# Altium PCB STB_LightBoard.PcbDoc (part 20 of 31)
Units mm, origin at the board's own origin, x right, y up, seen from the top; angles counter-clockwise.
Board outline 348 x 348 mm, 2 copper layers (Top Layer, Bottom Layer), stack 1.672 mm thick; 3807 components, 3391 nets, 11616 pads, 2553 vias.
Unrouted connection lines stored in the file: 68.
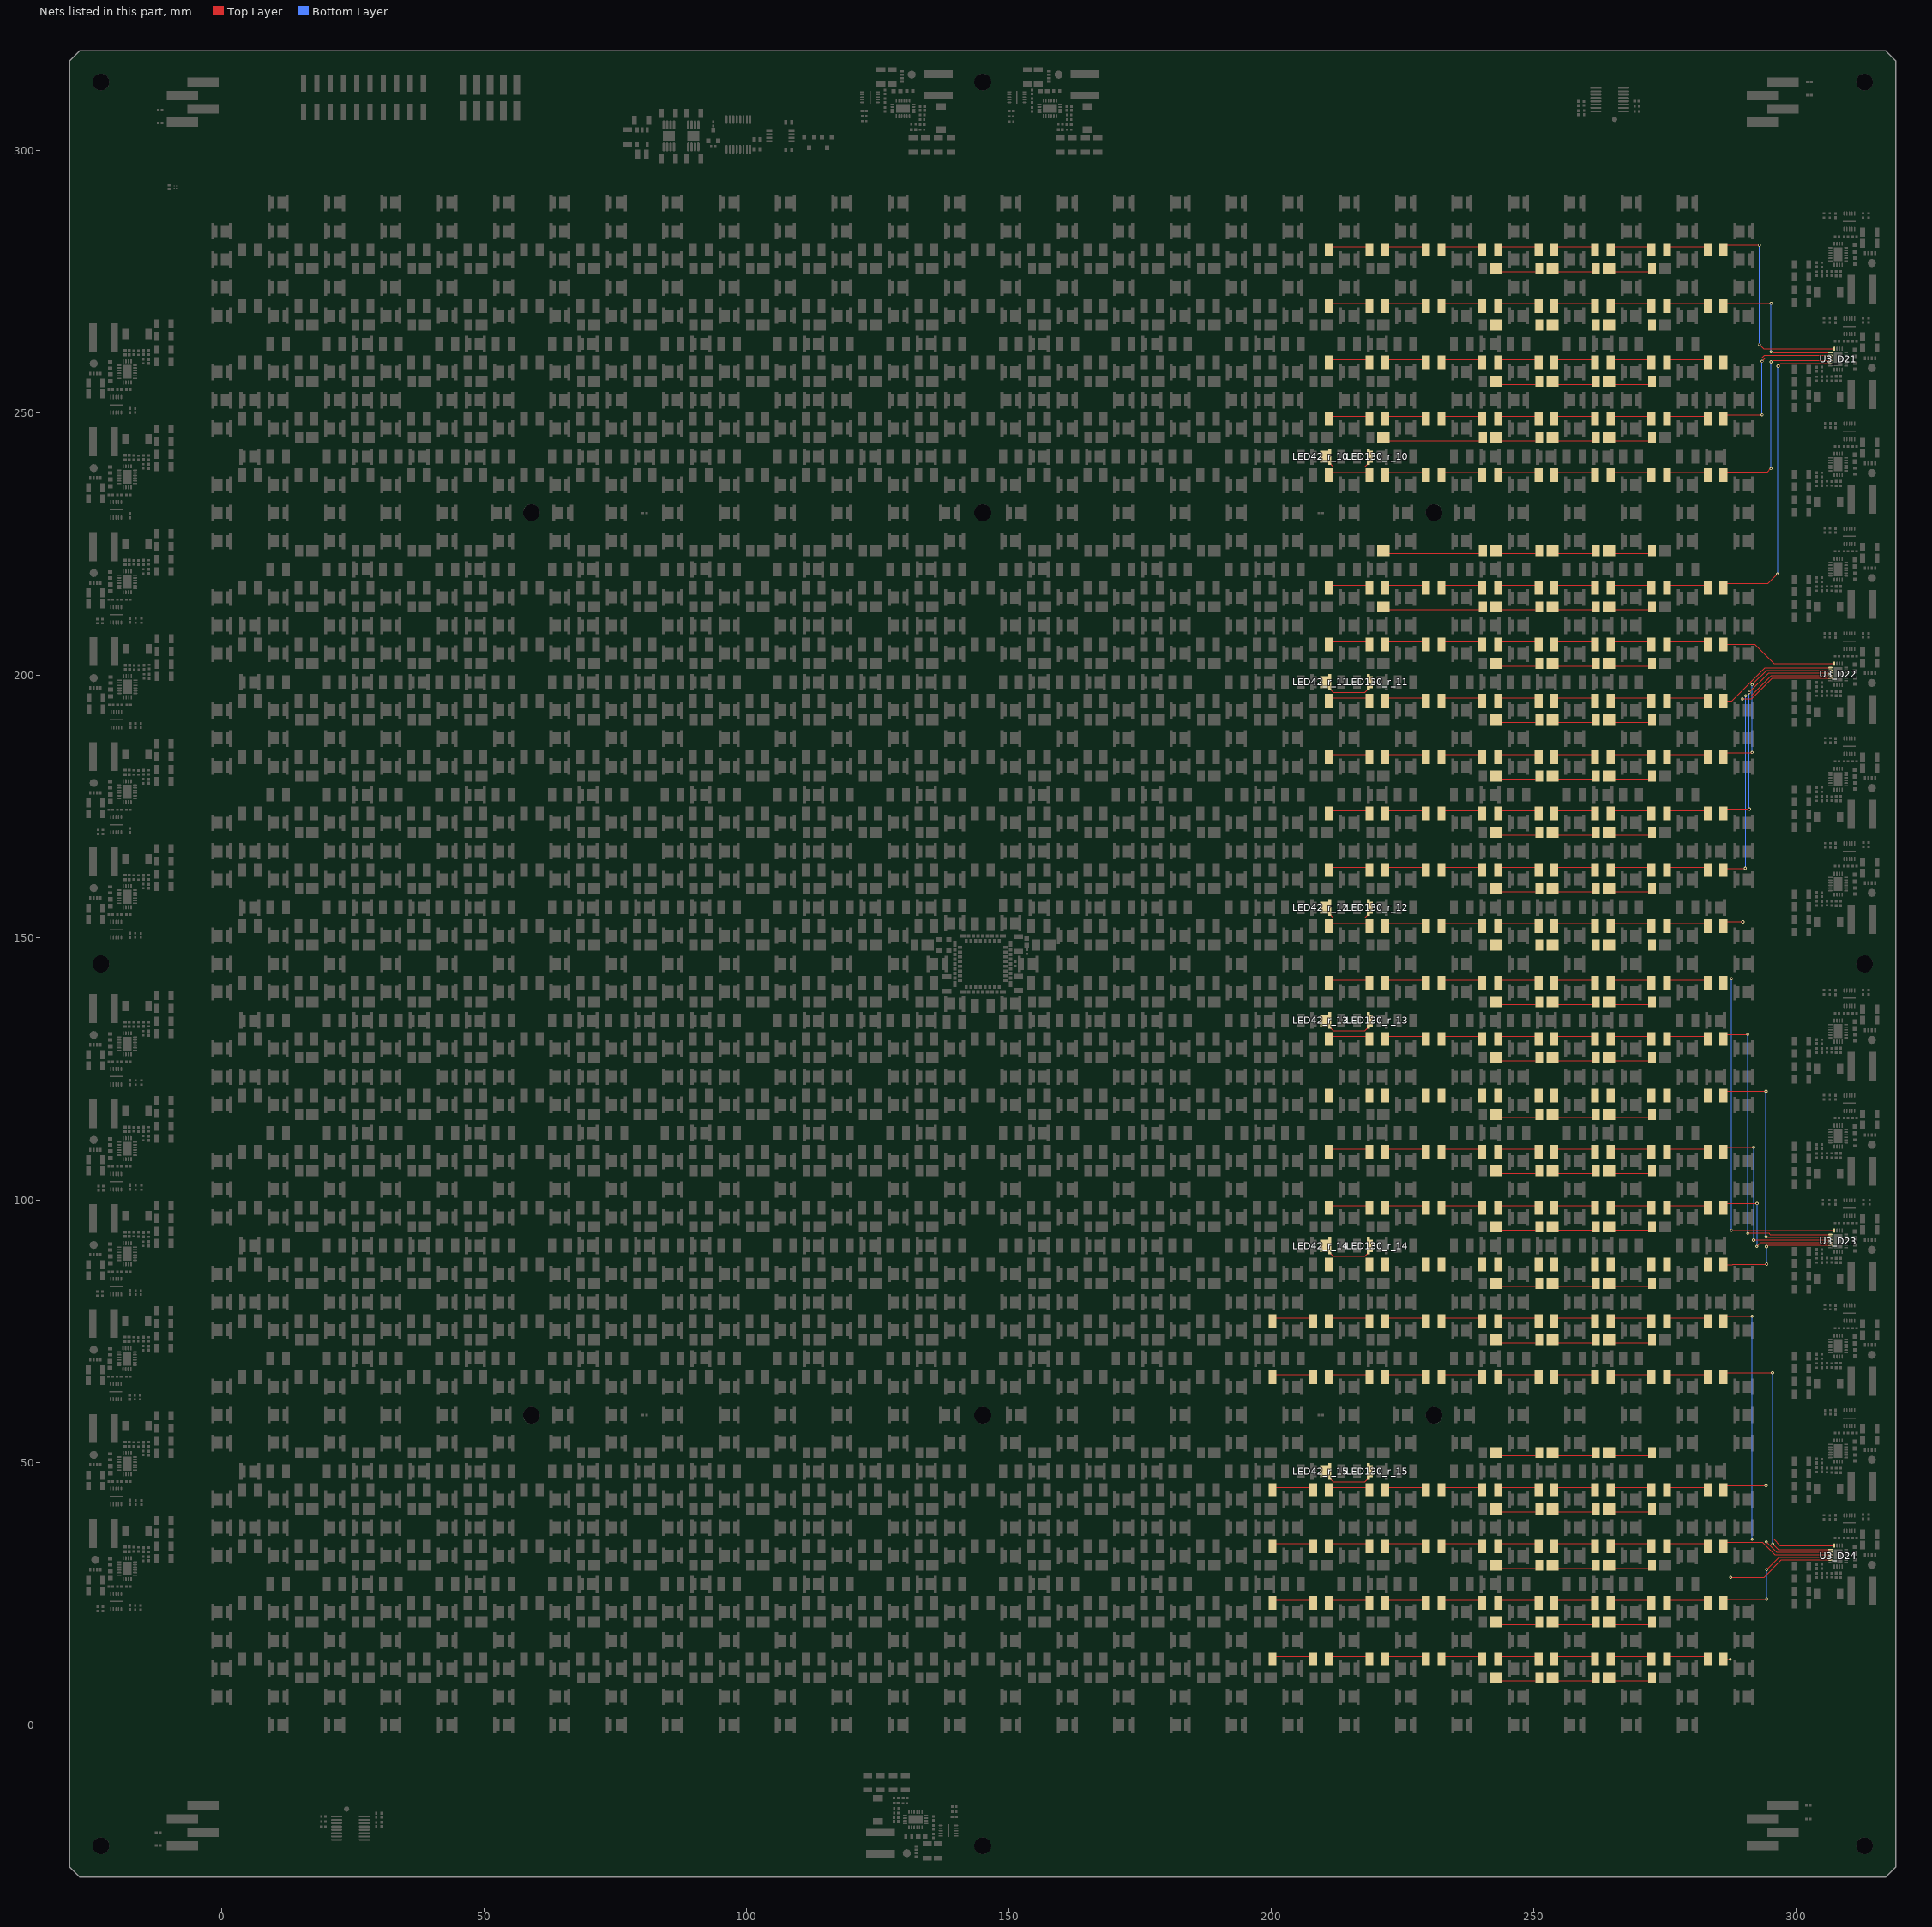
[diagram p20: the nets of this part, all layers, seen from the top]

## Via types
v1: diameter 0.604, hole 0.3, Top Layer to Bottom Layer, tented both sides, 2553 vias

## Nets (pads, with @x,y where several pads share a name; then routed paths per layer and width w, separated by ;. In a path a pad name is that pad's centre, name@x,y a point inside that pad or via, vN(x,y) a via of type N, cw(c..) or ccw(c..) an arc to the next point about the centre after c; other vN are vias at no path point) (continued)
NetLED33_IR940_40_1: LED33_IR940_40.1 LED34_IR940_40.2 | length 8.2
  Top Layer w0.2: LED33_IR940_40.1@200.208,76.987 200.742,77.521 207.415,77.521 LED34_IR940_40.2@207.949,76.987
NetLED33_IR940_41_1: LED33_IR940_41.1 LED34_IR940_41.2 | length 8.2
  Top Layer w0.2: LED33_IR940_41.1@200.208,66.246 200.742,66.78 207.415,66.78 LED34_IR940_41.2@207.949,66.246
NetLED33_IR940_42_1: LED33_IR940_42.1 LED34_IR940_42.2 | length 8.2
  Top Layer w0.2: LED33_IR940_42.1@200.208,44.764 200.742,45.298 207.415,45.298 LED34_IR940_42.2@207.949,44.764
NetLED33_IR940_43_1: LED33_IR940_43.1 LED34_IR940_43.2 | length 8.2
  Top Layer w0.2: LED33_IR940_43.1@200.208,34.023 200.742,34.557 207.415,34.557 LED34_IR940_43.2@207.949,34.023
NetLED33_IR940_44_1: LED33_IR940_44.1 LED34_IR940_44.2 | length 8.2
  Top Layer w0.2: LED33_IR940_44.1@200.208,23.282 200.742,23.816 207.415,23.816 LED34_IR940_44.2@207.949,23.282
NetLED33_IR940_45_1: LED33_IR940_45.1 LED34_IR940_45.2 | length 8.2
  Top Layer w0.2: LED33_IR940_45.1@200.208,12.541 200.742,13.075 207.415,13.075 LED34_IR940_45.2@207.949,12.541
NetLED34_IR940_10_1: LED34_IR940_10.1 LED35_IR940_10.2 | length 8.2
  Top Layer w0.2: LED34_IR940_10.1@210.949,281.066 211.483,281.6 218.156,281.6 LED35_IR940_10.2@218.69,281.066
NetLED34_IR940_11_1: LED34_IR940_11.1 LED35_IR940_11.2 | length 8.2
  Top Layer w0.2: LED34_IR940_11.1@210.949,270.325 211.483,270.859 218.156,270.859 LED35_IR940_11.2@218.69,270.325
NetLED34_IR940_12_1: LED34_IR940_12.1 LED35_IR940_12.2 | length 8.2
  Top Layer w0.2: LED34_IR940_12.1@210.949,259.584 211.483,260.118 218.156,260.118 LED35_IR940_12.2@218.69,259.584
NetLED34_IR940_13_1: LED34_IR940_13.1 LED35_IR940_13.2 | length 8.2
  Top Layer w0.2: LED34_IR940_13.1@210.949,248.843 211.483,249.377 218.156,249.377 LED35_IR940_13.2@218.69,248.843
NetLED34_IR940_14_1: LED34_IR940_14.1 LED35_IR940_14.2 | length 8.2
  Top Layer w0.2: LED34_IR940_14.1@210.949,238.102 211.483,238.636 218.156,238.636 LED35_IR940_14.2@218.69,238.102
NetLED34_IR940_15_1: LED34_IR940_15.1 LED35_IR940_15.2 | length 8.2
  Top Layer w0.2: LED34_IR940_15.1@210.949,216.62 211.483,217.154 218.156,217.154 LED35_IR940_15.2@218.69,216.62
NetLED34_IR940_20_1: LED34_IR940_20.1 LED35_IR940_20.2 | length 8.2
  Top Layer w0.2: LED34_IR940_20.1@210.949,205.879 211.483,206.413 218.156,206.413 LED35_IR940_20.2@218.69,205.879
NetLED34_IR940_21_1: LED34_IR940_21.1 LED35_IR940_21.2 | length 8.2
  Top Layer w0.2: LED34_IR940_21.1@210.949,195.138 211.483,195.672 218.156,195.672 LED35_IR940_21.2@218.69,195.138
NetLED34_IR940_22_1: LED34_IR940_22.1 LED35_IR940_22.2 | length 8.2
  Top Layer w0.2: LED34_IR940_22.1@210.949,184.397 211.483,184.931 218.156,184.931 LED35_IR940_22.2@218.69,184.397
NetLED34_IR940_23_1: LED34_IR940_23.1 LED35_IR940_23.2 | length 8.2
  Top Layer w0.2: LED34_IR940_23.1@210.949,173.656 211.483,174.19 218.156,174.19 LED35_IR940_23.2@218.69,173.656
NetLED34_IR940_24_1: LED34_IR940_24.1 LED35_IR940_24.2 | length 8.2
  Top Layer w0.2: LED34_IR940_24.1@210.949,162.915 211.483,163.449 218.156,163.449 LED35_IR940_24.2@218.69,162.915
NetLED34_IR940_25_1: LED34_IR940_25.1 LED35_IR940_25.2 | length 8.2
  Top Layer w0.2: LED34_IR940_25.1@210.949,152.174 211.483,152.708 218.156,152.708 LED35_IR940_25.2@218.69,152.174
NetLED34_IR940_30_1: LED34_IR940_30.1 LED35_IR940_30.2 | length 8.2
  Top Layer w0.2: LED34_IR940_30.1@210.949,141.433 211.483,141.967 218.156,141.967 LED35_IR940_30.2@218.69,141.433
NetLED34_IR940_31_1: LED34_IR940_31.1 LED35_IR940_31.2 | length 8.2
  Top Layer w0.2: LED34_IR940_31.1@210.949,130.692 211.483,131.226 218.156,131.226 LED35_IR940_31.2@218.69,130.692
NetLED34_IR940_32_1: LED34_IR940_32.1 LED35_IR940_32.2 | length 8.2
  Top Layer w0.2: LED34_IR940_32.1@210.949,119.951 211.483,120.485 218.156,120.485 LED35_IR940_32.2@218.69,119.951
NetLED34_IR940_33_1: LED34_IR940_33.1 LED35_IR940_33.2 | length 8.2
  Top Layer w0.2: LED34_IR940_33.1@210.949,109.21 211.483,109.744 218.156,109.744 LED35_IR940_33.2@218.69,109.21
NetLED34_IR940_34_1: LED34_IR940_34.1 LED35_IR940_34.2 | length 8.2
  Top Layer w0.2: LED34_IR940_34.1@210.949,98.469 211.483,99.003 218.156,99.003 LED35_IR940_34.2@218.69,98.469
NetLED34_IR940_35_1: LED34_IR940_35.1 LED35_IR940_35.2 | length 8.2
  Top Layer w0.2: LED34_IR940_35.1@210.949,87.728 211.483,88.262 218.156,88.262 LED35_IR940_35.2@218.69,87.728
NetLED34_IR940_40_1: LED34_IR940_40.1 LED35_IR940_40.2 | length 8.2
  Top Layer w0.2: LED34_IR940_40.1@210.949,76.987 211.483,77.521 218.156,77.521 LED35_IR940_40.2@218.69,76.987
NetLED34_IR940_41_1: LED34_IR940_41.1 LED35_IR940_41.2 | length 8.2
  Top Layer w0.2: LED34_IR940_41.1@210.949,66.246 211.483,66.78 218.156,66.78 LED35_IR940_41.2@218.69,66.246
NetLED34_IR940_42_1: LED34_IR940_42.1 LED35_IR940_42.2 | length 8.2
  Top Layer w0.2: LED34_IR940_42.1@210.949,44.764 211.483,45.298 218.156,45.298 LED35_IR940_42.2@218.69,44.764
NetLED34_IR940_43_1: LED34_IR940_43.1 LED35_IR940_43.2 | length 8.2
  Top Layer w0.2: LED34_IR940_43.1@210.949,34.023 211.483,34.557 218.156,34.557 LED35_IR940_43.2@218.69,34.023
NetLED34_IR940_44_1: LED34_IR940_44.1 LED35_IR940_44.2 | length 8.2
  Top Layer w0.2: LED34_IR940_44.1@210.949,23.282 211.483,23.816 218.156,23.816 LED35_IR940_44.2@218.69,23.282
NetLED34_IR940_45_1: LED34_IR940_45.1 LED35_IR940_45.2 | length 8.2
  Top Layer w0.2: LED34_IR940_45.1@210.949,12.541 211.483,13.075 218.156,13.075 LED35_IR940_45.2@218.69,12.541
NetLED35_IR940_10_1: LED35_IR940_10.1 LED36_IR940_10.2 | length 8.2
  Top Layer w0.2: LED35_IR940_10.1@221.69,281.066 222.224,281.6 228.897,281.6 LED36_IR940_10.2@229.431,281.066
NetLED35_IR940_11_1: LED35_IR940_11.1 LED36_IR940_11.2 | length 8.2
  Top Layer w0.2: LED35_IR940_11.1@221.69,270.325 222.224,270.859 228.897,270.859 LED36_IR940_11.2@229.431,270.325
NetLED35_IR940_12_1: LED35_IR940_12.1 LED36_IR940_12.2 | length 8.2
  Top Layer w0.2: LED35_IR940_12.1@221.69,259.584 222.224,260.118 228.897,260.118 LED36_IR940_12.2@229.431,259.584
NetLED35_IR940_13_1: LED35_IR940_13.1 LED36_IR940_13.2 | length 8.2
  Top Layer w0.2: LED35_IR940_13.1@221.69,248.843 222.224,249.377 228.897,249.377 LED36_IR940_13.2@229.431,248.843
NetLED35_IR940_14_1: LED35_IR940_14.1 LED36_IR940_14.2 | length 8.2
  Top Layer w0.2: LED35_IR940_14.1@221.69,238.102 222.224,238.636 228.897,238.636 LED36_IR940_14.2@229.431,238.102
NetLED35_IR940_15_1: LED35_IR940_15.1 LED36_IR940_15.2 | length 8.2
  Top Layer w0.2: LED35_IR940_15.1@221.69,216.62 222.224,217.154 228.897,217.154 LED36_IR940_15.2@229.431,216.62
NetLED35_IR940_20_1: LED35_IR940_20.1 LED36_IR940_20.2 | length 8.2
  Top Layer w0.2: LED35_IR940_20.1@221.69,205.879 222.224,206.413 228.897,206.413 LED36_IR940_20.2@229.431,205.879
NetLED35_IR940_21_1: LED35_IR940_21.1 LED36_IR940_21.2 | length 8.2
  Top Layer w0.2: LED35_IR940_21.1@221.69,195.138 222.224,195.672 228.897,195.672 LED36_IR940_21.2@229.431,195.138
NetLED35_IR940_22_1: LED35_IR940_22.1 LED36_IR940_22.2 | length 8.2
  Top Layer w0.2: LED35_IR940_22.1@221.69,184.397 222.224,184.931 228.897,184.931 LED36_IR940_22.2@229.431,184.397
NetLED35_IR940_23_1: LED35_IR940_23.1 LED36_IR940_23.2 | length 8.2
  Top Layer w0.2: LED35_IR940_23.1@221.69,173.656 222.224,174.19 228.897,174.19 LED36_IR940_23.2@229.431,173.656
NetLED35_IR940_24_1: LED35_IR940_24.1 LED36_IR940_24.2 | length 8.2
  Top Layer w0.2: LED35_IR940_24.1@221.69,162.915 222.224,163.449 228.897,163.449 LED36_IR940_24.2@229.431,162.915
NetLED35_IR940_25_1: LED35_IR940_25.1 LED36_IR940_25.2 | length 8.2
  Top Layer w0.2: LED35_IR940_25.1@221.69,152.174 222.224,152.708 228.897,152.708 LED36_IR940_25.2@229.431,152.174
NetLED35_IR940_30_1: LED35_IR940_30.1 LED36_IR940_30.2 | length 8.2
  Top Layer w0.2: LED35_IR940_30.1@221.69,141.433 222.224,141.967 228.897,141.967 LED36_IR940_30.2@229.431,141.433
NetLED35_IR940_31_1: LED35_IR940_31.1 LED36_IR940_31.2 | length 8.2
  Top Layer w0.2: LED35_IR940_31.1@221.69,130.692 222.224,131.226 228.897,131.226 LED36_IR940_31.2@229.431,130.692
NetLED35_IR940_32_1: LED35_IR940_32.1 LED36_IR940_32.2 | length 8.2
  Top Layer w0.2: LED35_IR940_32.1@221.69,119.951 222.224,120.485 228.897,120.485 LED36_IR940_32.2@229.431,119.951
NetLED35_IR940_33_1: LED35_IR940_33.1 LED36_IR940_33.2 | length 8.2
  Top Layer w0.2: LED35_IR940_33.1@221.69,109.21 222.224,109.744 228.897,109.744 LED36_IR940_33.2@229.431,109.21
NetLED35_IR940_34_1: LED35_IR940_34.1 LED36_IR940_34.2 | length 8.2
  Top Layer w0.2: LED35_IR940_34.1@221.69,98.469 222.224,99.003 228.897,99.003 LED36_IR940_34.2@229.431,98.469
NetLED35_IR940_35_1: LED35_IR940_35.1 LED36_IR940_35.2 | length 8.2
  Top Layer w0.2: LED35_IR940_35.1@221.69,87.728 222.224,88.262 228.897,88.262 LED36_IR940_35.2@229.431,87.728
NetLED35_IR940_40_1: LED35_IR940_40.1 LED36_IR940_40.2 | length 8.2
  Top Layer w0.2: LED35_IR940_40.1@221.69,76.987 222.224,77.521 228.897,77.521 LED36_IR940_40.2@229.431,76.987
NetLED35_IR940_41_1: LED35_IR940_41.1 LED36_IR940_41.2 | length 8.2
  Top Layer w0.2: LED35_IR940_41.1@221.69,66.246 222.224,66.78 228.897,66.78 LED36_IR940_41.2@229.431,66.246
NetLED35_IR940_42_1: LED35_IR940_42.1 LED36_IR940_42.2 | length 8.2
  Top Layer w0.2: LED35_IR940_42.1@221.69,44.764 222.224,45.298 228.897,45.298 LED36_IR940_42.2@229.431,44.764
NetLED35_IR940_43_1: LED35_IR940_43.1 LED36_IR940_43.2 | length 8.2
  Top Layer w0.2: LED35_IR940_43.1@221.69,34.023 222.224,34.557 228.897,34.557 LED36_IR940_43.2@229.431,34.023
NetLED35_IR940_44_1: LED35_IR940_44.1 LED36_IR940_44.2 | length 8.2
  Top Layer w0.2: LED35_IR940_44.1@221.69,23.282 222.224,23.816 228.897,23.816 LED36_IR940_44.2@229.431,23.282
NetLED35_IR940_45_1: LED35_IR940_45.1 LED36_IR940_45.2 | length 8.2
  Top Layer w0.2: LED35_IR940_45.1@221.69,12.541 222.224,13.075 228.897,13.075 LED36_IR940_45.2@229.431,12.541
NetLED36_IR940_10_1: LED36_IR940_10.1 LED37_IR940_10.2 | length 8.2
  Top Layer w0.2: LED36_IR940_10.1@232.431,281.066 232.965,281.6 239.638,281.6 LED37_IR940_10.2@240.172,281.066
NetLED36_IR940_11_1: LED36_IR940_11.1 LED37_IR940_11.2 | length 8.2
  Top Layer w0.2: LED36_IR940_11.1@232.431,270.325 232.965,270.859 239.638,270.859 LED37_IR940_11.2@240.172,270.325
NetLED36_IR940_12_1: LED36_IR940_12.1 LED37_IR940_12.2 | length 8.2
  Top Layer w0.2: LED36_IR940_12.1@232.431,259.584 232.965,260.118 239.638,260.118 LED37_IR940_12.2@240.172,259.584
NetLED36_IR940_13_1: LED36_IR940_13.1 LED37_IR940_13.2 | length 8.2
  Top Layer w0.2: LED36_IR940_13.1@232.431,248.843 232.965,249.377 239.638,249.377 LED37_IR940_13.2@240.172,248.843
NetLED36_IR940_14_1: LED36_IR940_14.1 LED37_IR940_14.2 | length 8.2
  Top Layer w0.2: LED36_IR940_14.1@232.431,238.102 232.965,238.636 239.638,238.636 LED37_IR940_14.2@240.172,238.102
NetLED36_IR940_15_1: LED36_IR940_15.1 LED37_IR940_15.2 | length 8.2
  Top Layer w0.2: LED36_IR940_15.1@232.431,216.62 232.965,217.154 239.638,217.154 LED37_IR940_15.2@240.172,216.62
NetLED36_IR940_20_1: LED36_IR940_20.1 LED37_IR940_20.2 | length 8.2
  Top Layer w0.2: LED36_IR940_20.1@232.431,205.879 232.965,206.413 239.638,206.413 LED37_IR940_20.2@240.172,205.879
NetLED36_IR940_21_1: LED36_IR940_21.1 LED37_IR940_21.2 | length 8.2
  Top Layer w0.2: LED36_IR940_21.1@232.431,195.138 232.965,195.672 239.638,195.672 LED37_IR940_21.2@240.172,195.138
NetLED36_IR940_22_1: LED36_IR940_22.1 LED37_IR940_22.2 | length 8.2
  Top Layer w0.2: LED36_IR940_22.1@232.431,184.397 232.965,184.931 239.638,184.931 LED37_IR940_22.2@240.172,184.397
NetLED36_IR940_23_1: LED36_IR940_23.1 LED37_IR940_23.2 | length 8.2
  Top Layer w0.2: LED36_IR940_23.1@232.431,173.656 232.965,174.19 239.638,174.19 LED37_IR940_23.2@240.172,173.656
NetLED36_IR940_24_1: LED36_IR940_24.1 LED37_IR940_24.2 | length 8.2
  Top Layer w0.2: LED36_IR940_24.1@232.431,162.915 232.965,163.449 239.638,163.449 LED37_IR940_24.2@240.172,162.915
NetLED36_IR940_25_1: LED36_IR940_25.1 LED37_IR940_25.2 | length 8.2
  Top Layer w0.2: LED36_IR940_25.1@232.431,152.174 232.965,152.708 239.638,152.708 LED37_IR940_25.2@240.172,152.174
NetLED36_IR940_30_1: LED36_IR940_30.1 LED37_IR940_30.2 | length 8.2
  Top Layer w0.2: LED36_IR940_30.1@232.431,141.433 232.965,141.967 239.638,141.967 LED37_IR940_30.2@240.172,141.433
NetLED36_IR940_31_1: LED36_IR940_31.1 LED37_IR940_31.2 | length 8.2
  Top Layer w0.2: LED36_IR940_31.1@232.431,130.692 232.965,131.226 239.638,131.226 LED37_IR940_31.2@240.172,130.692
NetLED36_IR940_32_1: LED36_IR940_32.1 LED37_IR940_32.2 | length 8.2
  Top Layer w0.2: LED36_IR940_32.1@232.431,119.951 232.965,120.485 239.638,120.485 LED37_IR940_32.2@240.172,119.951
NetLED36_IR940_33_1: LED36_IR940_33.1 LED37_IR940_33.2 | length 8.2
  Top Layer w0.2: LED36_IR940_33.1@232.431,109.21 232.965,109.744 239.638,109.744 LED37_IR940_33.2@240.172,109.21
NetLED36_IR940_34_1: LED36_IR940_34.1 LED37_IR940_34.2 | length 8.2
  Top Layer w0.2: LED36_IR940_34.1@232.431,98.469 232.965,99.003 239.638,99.003 LED37_IR940_34.2@240.172,98.469
NetLED36_IR940_35_1: LED36_IR940_35.1 LED37_IR940_35.2 | length 8.2
  Top Layer w0.2: LED36_IR940_35.1@232.431,87.728 232.965,88.262 239.638,88.262 LED37_IR940_35.2@240.172,87.728
NetLED36_IR940_40_1: LED36_IR940_40.1 LED37_IR940_40.2 | length 8.2
  Top Layer w0.2: LED36_IR940_40.1@232.431,76.987 232.965,77.521 239.638,77.521 LED37_IR940_40.2@240.172,76.987
NetLED36_IR940_41_1: LED36_IR940_41.1 LED37_IR940_41.2 | length 8.2
  Top Layer w0.2: LED36_IR940_41.1@232.431,66.246 232.965,66.78 239.638,66.78 LED37_IR940_41.2@240.172,66.246
NetLED36_IR940_42_1: LED36_IR940_42.1 LED37_IR940_42.2 | length 8.2
  Top Layer w0.2: LED36_IR940_42.1@232.431,44.764 232.965,45.298 239.638,45.298 LED37_IR940_42.2@240.172,44.764
NetLED36_IR940_43_1: LED36_IR940_43.1 LED37_IR940_43.2 | length 8.2
  Top Layer w0.2: LED36_IR940_43.1@232.431,34.023 232.965,34.557 239.638,34.557 LED37_IR940_43.2@240.172,34.023
NetLED36_IR940_44_1: LED36_IR940_44.1 LED37_IR940_44.2 | length 8.2
  Top Layer w0.2: LED36_IR940_44.1@232.431,23.282 232.965,23.816 239.638,23.816 LED37_IR940_44.2@240.172,23.282
NetLED36_IR940_45_1: LED36_IR940_45.1 LED37_IR940_45.2 | length 8.2
  Top Layer w0.2: LED36_IR940_45.1@232.431,12.541 232.965,13.075 239.638,13.075 LED37_IR940_45.2@240.172,12.541
NetLED37_IR940_10_1: LED37_IR940_10.1 LED38_IR940_10.2 | length 8.2
  Top Layer w0.2: LED37_IR940_10.1@243.172,281.066 243.706,281.6 250.379,281.6 LED38_IR940_10.2@250.913,281.066
NetLED37_IR940_11_1: LED37_IR940_11.1 LED38_IR940_11.2 | length 8.2
  Top Layer w0.2: LED37_IR940_11.1@243.172,270.325 243.706,270.859 250.379,270.859 LED38_IR940_11.2@250.913,270.325
NetLED37_IR940_12_1: LED37_IR940_12.1 LED38_IR940_12.2 | length 8.2
  Top Layer w0.2: LED37_IR940_12.1@243.172,259.584 243.706,260.118 250.379,260.118 LED38_IR940_12.2@250.913,259.584
NetLED37_IR940_13_1: LED37_IR940_13.1 LED38_IR940_13.2 | length 8.2
  Top Layer w0.2: LED37_IR940_13.1@243.172,248.843 243.706,249.377 250.379,249.377 LED38_IR940_13.2@250.913,248.843
NetLED37_IR940_14_1: LED37_IR940_14.1 LED38_IR940_14.2 | length 8.2
  Top Layer w0.2: LED37_IR940_14.1@243.172,238.102 243.706,238.636 250.379,238.636 LED38_IR940_14.2@250.913,238.102
NetLED37_IR940_15_1: LED37_IR940_15.1 LED38_IR940_15.2 | length 8.2
  Top Layer w0.2: LED37_IR940_15.1@243.172,216.62 243.706,217.154 250.379,217.154 LED38_IR940_15.2@250.913,216.62
NetLED37_IR940_20_1: LED37_IR940_20.1 LED38_IR940_20.2 | length 8.2
  Top Layer w0.2: LED37_IR940_20.1@243.172,205.879 243.706,206.413 250.379,206.413 LED38_IR940_20.2@250.913,205.879
NetLED37_IR940_21_1: LED37_IR940_21.1 LED38_IR940_21.2 | length 8.2
  Top Layer w0.2: LED37_IR940_21.1@243.172,195.138 243.706,195.672 250.379,195.672 LED38_IR940_21.2@250.913,195.138
NetLED37_IR940_22_1: LED37_IR940_22.1 LED38_IR940_22.2 | length 8.2
  Top Layer w0.2: LED37_IR940_22.1@243.172,184.397 243.706,184.931 250.379,184.931 LED38_IR940_22.2@250.913,184.397
NetLED37_IR940_23_1: LED37_IR940_23.1 LED38_IR940_23.2 | length 8.2
  Top Layer w0.2: LED37_IR940_23.1@243.172,173.656 243.706,174.19 250.379,174.19 LED38_IR940_23.2@250.913,173.656
NetLED37_IR940_24_1: LED37_IR940_24.1 LED38_IR940_24.2 | length 8.2
  Top Layer w0.2: LED37_IR940_24.1@243.172,162.915 243.706,163.449 250.379,163.449 LED38_IR940_24.2@250.913,162.915
NetLED37_IR940_25_1: LED37_IR940_25.1 LED38_IR940_25.2 | length 8.2
  Top Layer w0.2: LED37_IR940_25.1@243.172,152.174 243.706,152.708 250.379,152.708 LED38_IR940_25.2@250.913,152.174
NetLED37_IR940_30_1: LED37_IR940_30.1 LED38_IR940_30.2 | length 8.2
  Top Layer w0.2: LED37_IR940_30.1@243.172,141.433 243.706,141.967 250.379,141.967 LED38_IR940_30.2@250.913,141.433
NetLED37_IR940_31_1: LED37_IR940_31.1 LED38_IR940_31.2 | length 8.2
  Top Layer w0.2: LED37_IR940_31.1@243.172,130.692 243.706,131.226 250.379,131.226 LED38_IR940_31.2@250.913,130.692
NetLED37_IR940_32_1: LED37_IR940_32.1 LED38_IR940_32.2 | length 8.2
  Top Layer w0.2: LED37_IR940_32.1@243.172,119.951 243.706,120.485 250.379,120.485 LED38_IR940_32.2@250.913,119.951
NetLED37_IR940_33_1: LED37_IR940_33.1 LED38_IR940_33.2 | length 8.2
  Top Layer w0.2: LED37_IR940_33.1@243.172,109.21 243.706,109.744 250.379,109.744 LED38_IR940_33.2@250.913,109.21
NetLED37_IR940_34_1: LED37_IR940_34.1 LED38_IR940_34.2 | length 8.2
  Top Layer w0.2: LED37_IR940_34.1@243.172,98.469 243.706,99.003 250.379,99.003 LED38_IR940_34.2@250.913,98.469
NetLED37_IR940_35_1: LED37_IR940_35.1 LED38_IR940_35.2 | length 8.2
  Top Layer w0.2: LED37_IR940_35.1@243.172,87.728 243.706,88.262 250.379,88.262 LED38_IR940_35.2@250.913,87.728
NetLED37_IR940_40_1: LED37_IR940_40.1 LED38_IR940_40.2 | length 8.2
  Top Layer w0.2: LED37_IR940_40.1@243.172,76.987 243.706,77.521 250.379,77.521 LED38_IR940_40.2@250.913,76.987
NetLED37_IR940_41_1: LED37_IR940_41.1 LED38_IR940_41.2 | length 8.2
  Top Layer w0.2: LED37_IR940_41.1@243.172,66.246 243.706,66.78 250.379,66.78 LED38_IR940_41.2@250.913,66.246
NetLED37_IR940_42_1: LED37_IR940_42.1 LED38_IR940_42.2 | length 8.2
  Top Layer w0.2: LED37_IR940_42.1@243.172,44.764 243.706,45.298 250.379,45.298 LED38_IR940_42.2@250.913,44.764
NetLED37_IR940_43_1: LED37_IR940_43.1 LED38_IR940_43.2 | length 8.2
  Top Layer w0.2: LED37_IR940_43.1@243.172,34.023 243.706,34.557 250.379,34.557 LED38_IR940_43.2@250.913,34.023
NetLED37_IR940_44_1: LED37_IR940_44.1 LED38_IR940_44.2 | length 8.2
  Top Layer w0.2: LED37_IR940_44.1@243.172,23.282 243.706,23.816 250.379,23.816 LED38_IR940_44.2@250.913,23.282
NetLED37_IR940_45_1: LED37_IR940_45.1 LED38_IR940_45.2 | length 8.2
  Top Layer w0.2: LED37_IR940_45.1@243.172,12.541 243.706,13.075 250.379,13.075 LED38_IR940_45.2@250.913,12.541
NetLED38_IR940_10_1: LED38_IR940_10.1 LED39_IR940_10.2 | length 8.2
  Top Layer w0.2: LED38_IR940_10.1@253.913,281.066 254.447,281.6 261.12,281.6 LED39_IR940_10.2@261.654,281.066
NetLED38_IR940_11_1: LED38_IR940_11.1 LED39_IR940_11.2 | length 8.2
  Top Layer w0.2: LED38_IR940_11.1@253.913,270.325 254.447,270.859 261.12,270.859 LED39_IR940_11.2@261.654,270.325
NetLED38_IR940_12_1: LED38_IR940_12.1 LED39_IR940_12.2 | length 8.2
  Top Layer w0.2: LED38_IR940_12.1@253.913,259.584 254.447,260.118 261.12,260.118 LED39_IR940_12.2@261.654,259.584
NetLED38_IR940_13_1: LED38_IR940_13.1 LED39_IR940_13.2 | length 8.2
  Top Layer w0.2: LED38_IR940_13.1@253.913,248.843 254.447,249.377 261.12,249.377 LED39_IR940_13.2@261.654,248.843
NetLED38_IR940_14_1: LED38_IR940_14.1 LED39_IR940_14.2 | length 8.2
  Top Layer w0.2: LED38_IR940_14.1@253.913,238.102 254.447,238.636 261.12,238.636 LED39_IR940_14.2@261.654,238.102
NetLED38_IR940_15_1: LED38_IR940_15.1 LED39_IR940_15.2 | length 8.2
  Top Layer w0.2: LED38_IR940_15.1@253.913,216.62 254.447,217.154 261.12,217.154 LED39_IR940_15.2@261.654,216.62
NetLED38_IR940_20_1: LED38_IR940_20.1 LED39_IR940_20.2 | length 8.2
  Top Layer w0.2: LED38_IR940_20.1@253.913,205.879 254.447,206.413 261.12,206.413 LED39_IR940_20.2@261.654,205.879
NetLED38_IR940_21_1: LED38_IR940_21.1 LED39_IR940_21.2 | length 8.2
  Top Layer w0.2: LED38_IR940_21.1@253.913,195.138 254.447,195.672 261.12,195.672 LED39_IR940_21.2@261.654,195.138
NetLED38_IR940_22_1: LED38_IR940_22.1 LED39_IR940_22.2 | length 8.2
  Top Layer w0.2: LED38_IR940_22.1@253.913,184.397 254.447,184.931 261.12,184.931 LED39_IR940_22.2@261.654,184.397